# Altium PCB waffling80-NMB.PcbDoc (part 2 of 3) (continued)
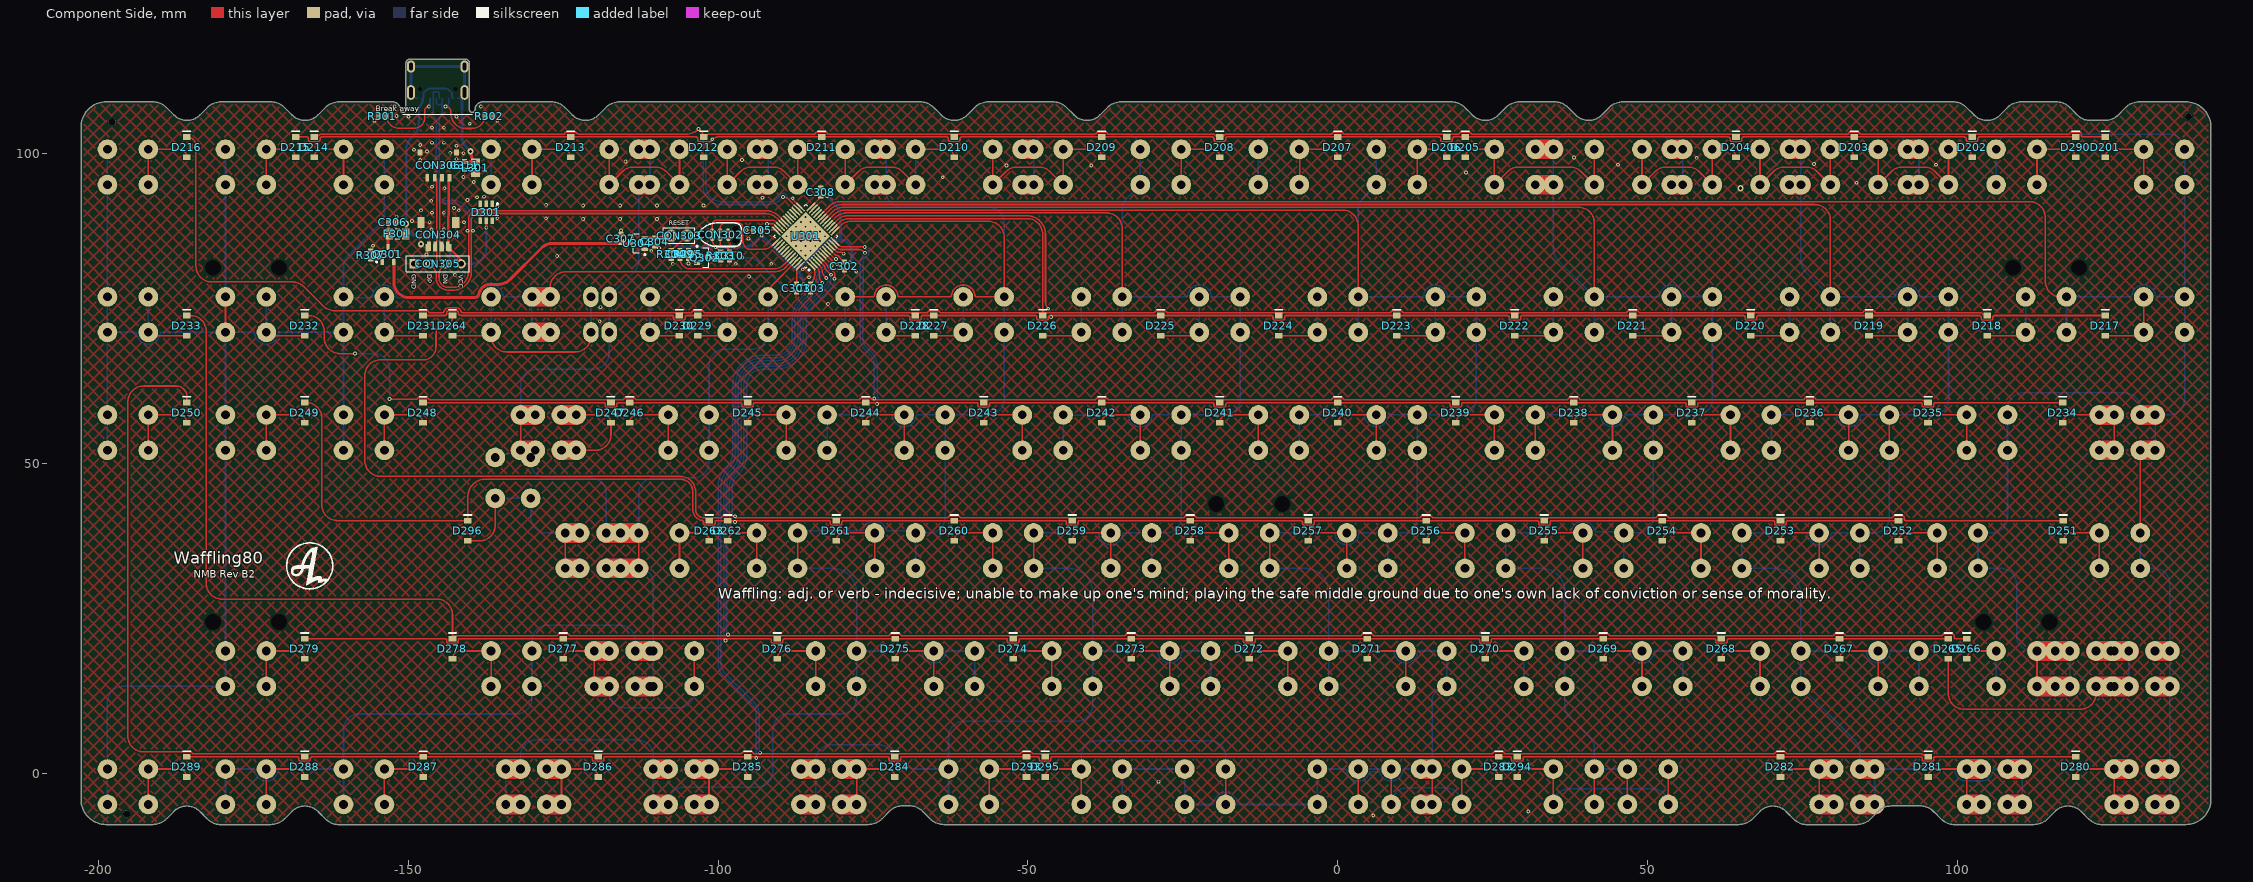
[diagram p0: Component Side view]
## Nets (pads, with @x,y where several pads share a name; then routed paths per layer and width w, separated by ;. In a path a pad name is that pad's centre, name@x,y a point inside that pad or via, vN(x,y) a via of type N, cw(c..) or ccw(c..) an arc to the next point about the centre after c; other vN are vias at no path point) (continued)
NetD214_1: D214.1 S214.1 | length 11.2
  Component Side w0.254: D214.1@-165.188,99.377 cw(c-163.913,99.377) -163.913,100.652 S214.1@-160.463,100.652 S214.1@-160.463,94.932
NetD215_1: D215.1 S215.1 | length 11.2
  Component Side w0.254: S215.1@-172.912,94.932 S215.1@-172.912,100.652 -169.463,100.652 cw(c-169.463,99.377) D215.1@-168.188,99.377
NetD216_1: D216.1 S216.1 | length 12.7
  Component Side w0.254: S216.1@-191.962,94.932 S216.1@-191.962,100.652 -187.012,100.652 cw(c-187.012,99.377) D216.1@-185.737,99.377
NetD217_1: D217.1 S217.1 | length 12.7
  Component Side w0.254: D217.1@123.825,70.565 129.494,70.565 ccw(c129.494,71.12) S217.1@130.049,71.12 S217.1@130.049,76.84 cw(c129.774,76.84) S217.1@129.774,76.565
NetD218_1: D218.1 S218.1 | length 13.9
  Component Side w0.254: D218.1@104.775,70.565 110.444,70.565 ccw(c110.444,71.12) S218.1@110.999,71.12 ; S218.1@110.724,76.565 ccw(c110.724,76.84) S218.1@110.999,76.84 cw(c110.999,76.46) 111.379,76.46 111.379,76.454 ccw(c111.379,76.074) S218.1@110.999,76.074
  Bottom Layer w0.254: S218.1@110.999,71.12 S218.1@110.999,76.84
NetD219_1: D219.1 S219.1 | length 12.7
  Component Side w0.254: D219.1@85.725,70.565 91.394,70.565 ccw(c91.394,71.12) S219.1@91.949,71.12 ; S219.1@91.674,76.565 ccw(c91.674,76.84) S219.1@91.949,76.84
  Bottom Layer w0.254: S219.1@91.949,71.12 S219.1@91.949,76.84
NetD220_1: D220.1 S220.1 | length 12.7
  Component Side w0.254: D220.1@66.675,70.565 72.344,70.565 ccw(c72.344,71.12) S220.1@72.899,71.12 ; S220.1@72.624,76.565 ccw(c72.624,76.84) S220.1@72.899,76.84
  Bottom Layer w0.254: S220.1@72.899,71.12 S220.1@72.899,76.84
NetD221_1: D221.1 S221.1 | length 12.7
  Component Side w0.254: D221.1@47.625,70.565 53.294,70.565 ccw(c53.294,71.12) S221.1@53.849,71.12 ; S221.1@53.574,76.565 ccw(c53.574,76.84) S221.1@53.849,76.84
  Bottom Layer w0.254: S221.1@53.849,71.12 S221.1@53.849,76.84
NetD222_1: D222.1 S222.1 | length 12.7
  Component Side w0.254: D222.1@28.575,70.565 34.244,70.565 ccw(c34.244,71.12) S222.1@34.799,71.12 ; S222.1@34.524,76.565 ccw(c34.524,76.84) S222.1@34.799,76.84
  Bottom Layer w0.254: S222.1@34.799,71.12 S222.1@34.799,76.84
NetD223_1: D223.1 S223.1 | length 12.7
  Component Side w0.254: D223.1@9.525,70.565 15.194,70.565 ccw(c15.194,71.12) S223.1@15.749,71.12 ; S223.1@15.474,76.565 ccw(c15.474,76.84) S223.1@15.749,76.84
  Bottom Layer w0.254: S223.1@15.749,71.12 S223.1@15.749,76.84
NetD224_1: D224.1 S224.1 | length 12.7
  Component Side w0.254: D224.1@-9.525,70.565 -3.856,70.565 ccw(c-3.856,71.12) S224.1@-3.301,71.12 ; S224.1@-3.576,76.565 ccw(c-3.576,76.84) S224.1@-3.301,76.84
  Bottom Layer w0.254: S224.1@-3.301,71.12 S224.1@-3.301,76.84
NetD225_1: D225.1 S225.1 | length 12.7
  Component Side w0.254: D225.1@-28.575,70.565 -22.906,70.565 ccw(c-22.906,71.12) S225.1@-22.351,71.12 ; S225.1@-22.626,76.565 ccw(c-22.626,76.84) S225.1@-22.351,76.84
  Bottom Layer w0.254: S225.1@-22.351,71.12 S225.1@-22.351,76.84
NetD226_1: D226.1 S226.1 | length 12.5
  Component Side w0.254: D226.1@-47.625,70.565 -42.74,70.565 ccw(c-42.74,72.46) S226.1@-41.401,71.12 ; S226.1@-41.676,76.565 ccw(c-41.676,76.84) S226.1@-41.401,76.84
  Bottom Layer w0.254: S226.1@-41.401,71.12 S226.1@-41.401,76.84
NetD227_1: D227.1 S227.1 | length 11
  Component Side w0.254: D227.1@-65.175,70.565 -61.79,70.565 ccw(c-61.79,72.46) S227.1@-60.451,71.12 ; S227.1@-60.726,76.565 ccw(c-60.726,76.84) S227.1@-60.451,76.84
  Bottom Layer w0.254: S227.1@-60.451,71.12 S227.1@-60.451,76.84
NetD228_1: D228.1 S228.1 | length 11
  Component Side w0.254: S228.1@-72.9,71.12 ccw(c-71.561,72.46) -71.561,70.565 D228.1@-68.175,70.565 ; S228.1@-72.9,76.84 ccw(c-72.625,76.84) S228.1@-72.625,76.565
  Bottom Layer w0.254: S228.1@-72.9,71.12 S228.1@-72.9,76.84
NetD229_1: D229.1 S229.1 | length 11.2
  Component Side w0.254: D229.1@-103.275,70.565 -99.106,70.565 ccw(c-99.106,71.12) S229.1@-98.551,71.12 ; S229.1@-98.826,76.565 ccw(c-98.826,76.84) S229.1@-98.551,76.84
  Bottom Layer w0.254: S229.1@-98.551,71.12 S229.1@-98.551,76.84
NetD230_1: D230.1 S230.1 | length 11.2
  Component Side w0.254: S230.1@-111,71.12 ccw(c-110.445,71.12) -110.445,70.565 D230.1@-106.275,70.565 ; S230.1@-111,76.84 ccw(c-110.725,76.84) S230.1@-110.725,76.565
  Bottom Layer w0.254: S230.1@-111,71.12 S230.1@-111,76.84
NetD231_1: D231.1 S231.1 | length 12.7
  Component Side w0.254: S231.1@-153.862,71.12 ccw(c-153.307,71.12) -153.307,70.565 D231.1@-147.637,70.565 ; S231.1@-153.862,76.84 ccw(c-153.587,76.84) S231.1@-153.587,76.565
  Bottom Layer w0.254: S231.1@-153.862,71.12 S231.1@-153.862,76.84
NetD232_1: D232.1 S232.1 | length 12.7
  Component Side w0.254: S232.1@-172.912,71.12 ccw(c-172.357,71.12) -172.357,70.565 D232.1@-166.687,70.565 ; S232.1@-172.912,76.84 ccw(c-172.637,76.84) S232.1@-172.637,76.565
  Bottom Layer w0.254: S232.1@-172.912,71.12 S232.1@-172.912,76.84
NetD233_1: D233.1 S233.1 | length 12.7
  Component Side w0.254: S233.1@-191.962,71.12 ccw(c-191.407,71.12) -191.407,70.565 D233.1@-185.737,70.565 ; S233.1@-191.962,76.84 ccw(c-191.687,76.84) S233.1@-191.687,76.565
  Bottom Layer w0.254: S233.1@-191.962,71.12 S233.1@-191.962,76.84
NetD234_1: D234.1 S234.1 S234_1.1 | length 24.1
  Component Side w0.254: D234.1@117,56.515 cw(c118.275,56.515) 118.275,57.79 S234_1.1@122.906,57.79 S234.1@125.287,57.79 S234.1@125.287,52.07
  Component Side w3.18: S234_1.1@122.906,52.07 S234.1@125.287,52.07 ; S234_1.1@122.906,57.79 S234.1@125.287,57.79
  Bottom Layer w3.18: S234_1.1@122.988,52.07 S234.1@125.267,52.07 ; S234_1.1@123.008,57.79 S234.1@125.287,57.79
NetD235_1: D235.1 S235.1 | length 12.7
  Component Side w0.254: D235.1@95.25,56.515 cw(c96.525,56.515) 96.525,57.79 S235.1@101.474,57.79 S235.1@101.474,52.07
NetD236_1: D236.1 S236.1 | length 12.7
  Component Side w0.254: D236.1@76.2,56.515 cw(c77.475,56.515) 77.475,57.79 S236.1@82.424,57.79 S236.1@82.424,52.07
NetD237_1: D237.1 S237.1 | length 12.7
  Component Side w0.254: D237.1@57.15,56.515 cw(c58.425,56.515) 58.425,57.79 S237.1@63.374,57.79 S237.1@63.374,52.07
NetD238_1: D238.1 S238.1 | length 12.7
  Component Side w0.254: D238.1@38.1,56.515 cw(c39.375,56.515) 39.375,57.79 S238.1@44.324,57.79 S238.1@44.324,52.07
NetD239_1: D239.1 S239.1 | length 12.7
  Component Side w0.254: D239.1@19.05,56.515 cw(c20.325,56.515) 20.325,57.79 S239.1@25.274,57.79 S239.1@25.274,52.07
NetD240_1: D240.1 S240.1 | length 12.7
  Component Side w0.254: D240.1@0,56.515 cw(c1.275,56.515) 1.275,57.79 S240.1@6.224,57.79 S240.1@6.224,52.07
NetD241_1: D241.1 S241.1 | length 12.7
  Component Side w0.254: D241.1@-19.05,56.515 cw(c-17.775,56.515) -17.775,57.79 S241.1@-12.826,57.79 S241.1@-12.826,52.07
NetD242_1: D242.1 S242.1 | length 12.7
  Component Side w0.254: D242.1@-38.1,56.515 cw(c-36.825,56.515) -36.825,57.79 S242.1@-31.876,57.79 S242.1@-31.876,52.07
NetD243_1: D243.1 S243.1 | length 12.7
  Component Side w0.254: D243.1@-57.15,56.515 cw(c-55.875,56.515) -55.875,57.79 S243.1@-50.926,57.79 S243.1@-50.926,52.07
NetD244_1: D244.1 S244.1 | length 12.7
  Component Side w0.254: D244.1@-76.2,56.515 cw(c-74.925,56.515) -74.925,57.79 S244.1@-69.976,57.79 S244.1@-69.976,52.07
NetD245_1: D245.1 S245.1 | length 12.7
  Component Side w0.254: D245.1@-95.25,56.515 cw(c-93.975,56.515) -93.975,57.79 S245.1@-89.026,57.79 S245.1@-89.026,52.07
NetD246_1: D246.1 S246.1 | length 12.7
  Component Side w0.254: D246.1@-114.3,56.515 cw(c-113.025,56.515) -113.025,57.79 S246.1@-108.076,57.79 S246.1@-108.076,52.07
NetD247_1: D247.1 S247.1 S247_1.1 | length 29.4
  Component Side w0.254: S247.1@-125.288,52.07 -119.84,52.07 ccw(c-119.84,54.61) -117.3,54.61 D247.1@-117.3,56.515 ccw(c-118.575,56.515) -118.575,57.79 S247.1@-125.288,57.79
  Component Side w3.18: S247.1@-125.288,52.07 S247_1.1@-122.906,52.069 ; S247.1@-125.288,57.79 S247_1.1@-122.906,57.79
  Bottom Layer w3.18: S247.1@-125.246,52.07 S247_1.1@-122.968,52.07 ; S247.1@-125.226,57.79 S247_1.1@-122.947,57.79
NetD248_1: D248.1 S248.1 | length 12.7
  Component Side w0.254: S248.1@-153.862,52.07 S248.1@-153.862,57.79 -148.912,57.79 cw(c-148.912,56.515) D248.1@-147.637,56.515
NetD249_1: D249.1 S249.1 | length 12.7
  Component Side w0.254: S249.1@-172.912,52.07 S249.1@-172.912,57.79 -167.962,57.79 cw(c-167.962,56.515) D249.1@-166.687,56.515
NetD250_1: D250.1 S250.1 | length 12.7
  Component Side w0.254: S250.1@-191.962,52.07 S250.1@-191.962,57.79 -187.012,57.79 cw(c-187.012,56.515) D250.1@-185.737,56.515
NetD251_1: D251.1 S251.1 | length 12.3
  Component Side w0.254: D251.1@117.1,37.465 cw(c118.375,37.465) 118.375,38.74 S251.1@122.906,38.74 S251.1@122.906,33.02
NetD252_1: D252.1 S252.1 | length 12.7
  Component Side w0.254: D252.1@90.487,37.465 cw(c91.762,37.465) 91.762,38.74 S252.1@96.712,38.74 S252.1@96.712,33.02
NetD253_1: D253.1 S253.1 | length 12.7
  Component Side w0.254: D253.1@71.437,37.465 cw(c72.712,37.465) 72.712,38.74 S253.1@77.662,38.74 S253.1@77.662,33.02
NetD254_1: D254.1 S254.1 | length 12.7
  Component Side w0.254: D254.1@52.387,37.465 cw(c53.662,37.465) 53.662,38.74 S254.1@58.612,38.74 S254.1@58.612,33.02
NetD255_1: D255.1 S255.1 | length 12.7
  Component Side w0.254: D255.1@33.337,37.465 cw(c34.612,37.465) 34.612,38.74 S255.1@39.562,38.74 S255.1@39.562,33.02
NetD256_1: D256.1 S256.1 | length 12.7
  Component Side w0.254: D256.1@14.287,37.465 cw(c15.562,37.465) 15.562,38.74 S256.1@20.512,38.74 S256.1@20.512,33.02
NetD257_1: D257.1 S257.1 | length 12.7
  Component Side w0.254: D257.1@-4.763,37.465 cw(c-3.488,37.465) -3.488,38.74 S257.1@1.462,38.74 S257.1@1.462,33.02
NetD258_1: D258.1 S258.1 | length 12.7
  Component Side w0.254: D258.1@-23.813,37.465 cw(c-22.538,37.465) -22.538,38.74 S258.1@-17.588,38.74 S258.1@-17.588,33.02
NetD259_1: D259.1 S259.1 | length 12.7
  Component Side w0.254: D259.1@-42.863,37.465 cw(c-41.588,37.465) -41.588,38.74 S259.1@-36.638,38.74 S259.1@-36.638,33.02
NetD260_1: D260.1 S260.1 | length 12.7
  Component Side w0.254: D260.1@-61.913,37.465 cw(c-60.638,37.465) -60.638,38.74 S260.1@-55.688,38.74 S260.1@-55.688,33.02
NetD261_1: D261.1 S261.1 | length 12.7
  Component Side w0.254: D261.1@-80.963,37.465 cw(c-79.688,37.465) -79.688,38.74 S261.1@-74.738,38.74 S261.1@-74.738,33.02
NetD262_1: D262.1 S262.1 | length 11.1
  Component Side w0.254: D262.1@-98.43,37.465 cw(c-97.155,37.465) -97.155,38.74 S262.1@-93.788,38.74 S262.1@-93.788,33.02
NetD263_1: D263.1 S263.1 | length 11.3
  Component Side w0.254: S263.1@-106.238,33.02 S263.1@-106.238,38.74 -102.705,38.74 cw(c-102.705,37.465) D263.1@-101.43,37.465
NetD264_1: D264.1 S264.1 S264_1.1 | length 38.7
  Component Side w0.254: D264.1@-142.875,70.565 -137.206,70.565 ccw(c-137.206,71.12) S264_1.1@-136.651,71.12 -136.651,70.485 ccw(c-134.111,70.485) -134.111,67.945 -123.065,67.945 ccw(c-123.065,70.485) -120.525,70.485 S264.1@-120.525,71.12 ; S264_1.1@-136.926,76.565 ccw(c-136.926,76.84) S264_1.1@-136.651,76.84
  Bottom Layer w0.254: S264_1.1@-136.651,71.12 S264_1.1@-136.651,76.84 ; S264.1@-120.525,71.12 S264.1@-120.525,76.84
NetD265_1: D265.1 S265.1 S265_1.1 S265_2.1 S265_3.1 | length 58.5
  Component Side w0.254: D265.1@98.515,18.415 98.515,12.827 ccw(c101.055,12.827) 101.055,10.287 119.825,10.287 ccw(c119.825,12.827) 122.364,12.827 S265_2.1@122.364,13.97 ; S265_3.1@124.743,19.406 S265.1@124.743,19.69
  Component Side w3.18: S265_2.1@122.364,13.97 S265.1@124.743,13.97 S265_3.1@125.287,13.97 S265_1.1@127.668,13.97 ; S265_2.1@122.364,19.69 S265.1@124.743,19.69 S265_3.1@125.287,19.69 S265_1.1@127.668,19.69
  Bottom Layer w0.254: S265_1.1@127.668,13.97 S265_1.1@127.668,19.69
  Bottom Layer w3.18: S265_2.1@122.364,13.97 S265_3.1@124.203,13.97 ; S265_2.1@122.364,19.69 S265_3.1@124.203,19.69 ; S265.1@124.743,19.69 S265_1.1@127.668,19.69 ; S265_3.1@125.83,13.97 S265_1.1@127.668,13.97
NetD266_1: D266.1 S266.1 | length 11.6
  Component Side w0.254: D266.1@101.515,18.415 cw(c102.79,18.415) 102.79,19.69 S266.1@106.239,19.69 cw(c105.964,19.69) S266.1@105.964,19.415
  Bottom Layer w0.254: S266.1@106.239,13.97 S266.1@106.239,19.69
NetD267_1: D267.1 S267.1 | length 12.7
  Component Side w0.254: D267.1@80.962,18.415 cw(c82.238,18.415) 82.238,19.69 S267.1@87.187,19.69 S267.1@87.187,13.97
NetD268_1: D268.1 S268.1 | length 12.7
  Component Side w0.254: D268.1@61.912,18.415 cw(c63.188,18.415) 63.188,19.69 S268.1@68.137,19.69 S268.1@68.137,13.97
NetD269_1: D269.1 S269.1 | length 12.7
  Component Side w0.254: D269.1@42.862,18.415 cw(c44.138,18.415) 44.138,19.69 S269.1@49.087,19.69 S269.1@49.087,13.97
NetD270_1: D270.1 S270.1 | length 13.4
  Component Side w0.254: D270.1@23.812,18.415 cw(c25.088,18.415) 25.088,19.69 S270.1@30.037,19.69 cw(c29.373,20.354) S270.1@29.373,19.415
  Bottom Layer w0.254: S270.1@30.037,13.97 S270.1@30.037,19.69
NetD271_1: D271.1 S271.1 | length 12.7
  Component Side w0.254: D271.1@4.763,18.415 cw(c6.038,18.415) 6.038,19.69 S271.1@10.987,19.69 S271.1@10.987,13.97
NetD272_1: D272.1 S272.1 | length 12.7
  Component Side w0.254: D272.1@-14.287,18.415 cw(c-13.012,18.415) -13.012,19.69 S272.1@-8.063,19.69 S272.1@-8.063,13.97
NetD273_1: D273.1 S273.1 | length 12.7
  Component Side w0.254: D273.1@-33.337,18.415 cw(c-32.062,18.415) -32.062,19.69 S273.1@-27.113,19.69 S273.1@-27.113,13.97
NetD274_1: D274.1 S274.1 | length 12.7
  Component Side w0.254: D274.1@-52.387,18.415 cw(c-51.112,18.415) -51.112,19.69 S274.1@-46.163,19.69 S274.1@-46.163,13.97
NetD275_1: D275.1 S275.1 | length 12.7
  Component Side w0.254: D275.1@-71.438,18.415 cw(c-70.162,18.415) -70.162,19.69 S275.1@-65.213,19.69 S275.1@-65.213,13.97
NetD276_1: D276.1 S276.1 | length 12.7
  Component Side w0.254: D276.1@-90.488,18.415 cw(c-89.213,18.415) -89.213,19.69 S276.1@-84.263,19.69 S276.1@-84.263,13.97
NetD277_1: D277.1 S277.1 S277_1.1 S277_2.1 | length 46.8
  Component Side w0.254: D277.1@-124.968,18.415 cw(c-123.693,18.415) -123.693,19.69 S277.1@-119.982,19.69 S277.1@-119.982,13.97 ; S277_1.1@-103.857,13.97 S277_1.1@-103.857,19.69 S277_1.1@-103.857,20.51
  Component Side w3.18: S277.1@-119.982,13.97 S277_2.1@-117.601,13.97 ; S277.1@-119.982,19.69 S277_2.1@-117.601,19.69
  Bottom Layer w0.254: S277.1@-119.982,13.081 S277.1@-119.982,13.97 ; S277_2.1@-117.601,13.97 -117.601,13.081 ccw(c-115.061,13.081) -115.061,10.541 -106.397,10.541 ccw(c-106.397,13.081) -103.857,13.081 S277_1.1@-103.857,13.97
  Bottom Layer w3.18: S277.1@-119.982,19.69 S277_2.1@-117.601,19.69 ; S277.1@-119.941,13.97 S277_2.1@-117.601,13.97
NetD278_1: D278.1 S278.1 | length 12.7
  Component Side w0.254: D278.1@-142.875,18.415 cw(c-141.6,18.415) -141.6,19.69 S278.1@-136.651,19.69 S278.1@-136.651,13.97
NetD279_1: D279.1 S279.1 | length 12.7
  Component Side w0.254: S279.1@-172.912,13.97 S279.1@-172.912,19.69 -167.962,19.69 cw(c-167.962,18.415) D279.1@-166.687,18.415
NetD280_1: D280.1 S280.2 S280_1.1 | length 22.2
  Component Side w0.254: D280.1@119.062,-0.635 cw(c120.337,-0.635) 120.337,0.64 S280.2@125.287,0.64 S280.2@125.287,-5.08
  Component Side w3.18: S280.2@125.287,-5.08 S280_1.1@127.668,-5.08 ; S280.2@125.287,0.64 S280_1.1@127.668,0.64
  Bottom Layer w3.18: S280.2@125.287,0.64 S280_1.1@127.668,0.64 ; S280.2@125.327,-5.08 S280_1.1@127.668,-5.08
NetD281_1: D281.1 S281.2 S281_1.1 | length 21.1
  Component Side w0.254: D281.1@95.25,-0.635 cw(c96.525,-0.635) 96.525,0.64 S281.2@101.475,0.64 S281.2@101.475,-5.08
  Component Side w3.18: S281.2@101.802,-5.08 S281_1.1@103.632,-5.08 ; S281.2@101.802,0.635 S281_1.1@103.632,0.635
  Bottom Layer w3.18: S281.2@101.475,0.64 S281_1.1@103.856,0.64 ; S281.2@101.515,-5.08 S281_1.1@103.856,-5.08
NetD282_1: D282.1 S282.2 S282_1.1 | length 21.1
  Component Side w0.254: D282.1@71.437,-0.635 cw(c72.712,-0.635) 72.712,0.64 S282.2@77.662,0.64 S282.2@77.662,-5.08
  Component Side w3.18: S282.2@78.053,0.635 S282_1.1@79.883,0.635 ; S282.2@78.214,-5.08 S282_1.1@80.044,-5.08
  Bottom Layer w3.18: S282.2@77.662,0.64 S282_1.1@80.044,0.64 ; S282.2@77.703,-5.08 S282_1.1@80.044,-5.08
NetD283_1: D283.1 S283.1 S283_1.1 S283_2.1 | length 44.2
  Component Side w0.254: S283.1@3.3,-5.08 S283.1@3.3,0.64 ; S283_1.1@8.606,-5.207 S283_1.1@8.606,-5.08 8.606,0.03 ccw(c8.128,0.03) 8.128,0.508 cw(c8.26,0.508) 8.26,0.64 S283_1.1@8.606,0.64 ; S283_2.1@19.976,-5.08 S283_2.1@19.976,0.64 24.681,0.64 cw(c24.681,-0.635) D283.1@25.956,-0.635
  Bottom Layer w0.254: S283.1@3.3,0.64 S283_1.1@8.26,0.64 ; S283_1.1@8.606,-5.08 8.606,-4.953 cw(c11.146,-4.953) 11.146,-2.413 17.436,-2.413 cw(c17.436,-4.953) 19.976,-4.953 S283_2.1@19.976,-5.08
NetD284_1: D284.1 S284.1 S284_1.1 | length 22.1
  Component Side w0.254: S284.1@-77.662,-5.08 S284.1@-77.662,0.64 -72.77,0.64 cw(c-72.77,-0.635) D284.1@-71.495,-0.635
  Component Side w3.18: S284_1.1@-80.044,-5.08 S284.1@-77.662,-5.08 ; S284_1.1@-80.044,0.64 S284.1@-77.662,0.64
  Bottom Layer w3.18: S284_1.1@-80.044,0.64 S284.1@-77.662,0.64 ; S284_1.1@-80.003,-5.08 S284.1@-77.662,-5.08
NetD285_1: D285.1 S285.1 S285_1.1 | length 22.2
  Component Side w0.254: S285.1@-101.475,-5.08 S285.1@-101.475,0.64 -96.519,0.64 cw(c-96.519,-0.635) D285.1@-95.244,-0.635
  Component Side w3.18: S285_1.1@-103.856,-5.08 S285.1@-101.475,-5.08 ; S285_1.1@-103.856,0.64 S285.1@-101.475,0.64
  Bottom Layer w3.18: S285_1.1@-103.856,0.64 S285.1@-101.475,0.64 ; S285_1.1@-103.816,-5.08 S285.1@-101.475,-5.08
NetD286_1: D286.1 S286.1 S286_1.1 | length 21.8
  Component Side w0.254: S286.1@-125.287,-5.08 S286.1@-125.287,0.64 -120.649,0.64 cw(c-120.649,-0.635) D286.1@-119.374,-0.635
  Component Side w3.18: S286_1.1@-127.669,-5.08 S286.1@-125.287,-5.08 ; S286_1.1@-127.669,0.64 S286.1@-125.287,0.64
  Bottom Layer w3.18: S286_1.1@-127.669,0.64 S286.1@-125.287,0.64 ; S286_1.1@-127.628,-5.08 S286.1@-125.287,-5.08
NetD287_1: D287.1 S287.1 | length 12.7
  Component Side w0.254: S287.1@-153.862,-5.08 S287.1@-153.862,0.64 -148.843,0.64 cw(c-148.843,-0.635) D287.1@-147.568,-0.635
NetD288_1: D288.1 S288.1 | length 12.6
  Component Side w0.254: S288.1@-172.912,-5.08 S288.1@-172.912,0.64 -168.02,0.64 cw(c-168.02,-0.635) D288.1@-166.745,-0.635
NetD289_1: D289.1 S289.1 | length 12.6
  Component Side w0.254: S289.1@-191.962,-5.08 S289.1@-191.962,0.64 -187.07,0.64 cw(c-187.07,-0.635) D289.1@-185.795,-0.635
NetD290_1: D290.1 S290.1 | length 12.7
  Component Side w0.254: S290.1@112.838,94.932 S290.1@112.838,100.652 117.788,100.652 cw(c117.788,99.377) D290.1@119.063,99.377
NetD293_1: D293.1 S293.1 | length 12.4
  Component Side w0.254: S293.1@-56.232,-5.08 S293.1@-56.232,0.64 -51.515,0.64 cw(c-51.515,-0.635) D293.1@-50.24,-0.635
NetD294_1: D294.1 S294.2 S294_2.1 | length 39.5
  Component Side w0.254: D294.1@28.956,-0.635 cw(c30.231,-0.635) 30.231,0.64 S294.2@34.8,0.64 S294.2@34.8,-5.08 ; S294_2.1@53.338,-5.08 S294_2.1@53.338,0.64
  Bottom Layer w0.254: S294.2@34.8,-5.08 cw(c37.34,-5.08) 37.34,-2.54 50.798,-2.54 cw(c50.798,-5.08) S294_2.1@53.338,-5.08
NetD295_1: D295.1 S295.2 S295_2.1 | length 48.5
  Component Side w0.254: D295.1@-47.24,-0.635 cw(c-45.965,-0.635) -45.965,0.64 S295.2@-41.4,0.64 S295.2@-41.4,-5.08 S295.2@-41.4,-5.207 ; S295_2.1@-18.1,-5.207 S295_2.1@-18.1,-5.08 S295_2.1@-18.1,0.64
  Bottom Layer w0.254: S295.2@-41.4,0.64 -41.4,2.667 cw(c-38.86,2.667) -38.86,5.207 -20.64,5.207 cw(c-20.64,2.667) -18.1,2.667 S295_2.1@-18.1,0.64
NetD296_1: D296.1 S296.1 S296_1.1 S296_2.1 | length 41.3
  Component Side w0.254: D296.1@-140.417,37.465 -138.512,37.465 ccw(c-138.512,40.005) -135.972,40.005 S296_1.1@-135.972,44.33 ; S296.1@-124.937,38.465 ccw(c-124.937,38.74) S296.1@-124.662,38.74 S296.1@-124.662,33.02
  Component Side w3.18: S296.1@-124.662,33.02 S296_2.1@-122.363,33.02 ; S296.1@-124.662,38.74 S296_2.1@-122.363,38.74
  Bottom Layer w0.254: S296_1.1@-135.972,44.33 S296_1.1@-130.252,44.33 -130.252,41.28 ccw(c-127.712,41.28) -127.712,38.74 S296.1@-124.662,38.74
  Bottom Layer w3.18: S296.1@-124.662,33.02 S296_2.1@-122.383,33.02 ; S296.1@-124.641,38.74 S296_2.1@-122.363,38.74
NetQ301_1: Q301.1 R307.1 | length 2.1
  Component Side w0.254: R307.1@-156.083,82.916 -154.662,82.916 cw(c-154.662,82.493) Q301.1@-154.239,82.493
NRST: C310.1 CON302.3 Q302.3 R303.2 U301.7 | length 31.6
  Component Side w0.254: Q302.3@-100.999,83.185 -100.626,83.037 -99.866,83.037 R303.2@-99.568,82.789 -99.27,83.062 -98.469,83.816 C310.1@-98.171,84.089 ; CON302.3@-99.695,86.233 -99.695,85.466 ccw(c-99.045,85.466) -99.045,84.816 -98.898,84.816 cw(c-98.898,84.089) C310.1@-98.171,84.089 ; v1(-96.139,83.185) ccw(c-97.043,83.185) -97.043,84.089 C310.1@-98.171,84.089 ; U301.7@-82.714,83.8 -81.092,82.178 -80.864,82.178 v1(-80.798,82.112)
  Bottom Layer w0.254: v1(-96.139,83.185) -95.286,83.185 cw(c-95.286,80.645) -93.49,82.441 -89.568,78.519 ccw(c-87.772,80.315) -87.772,77.775 -86.922,77.775 ccw(c-86.922,79.764) -85.726,78.174 -84.802,79.098 ccw(c-84.982,79.277) -84.728,79.277 -84.728,79.297 cw(c-82.422,79.297) -84.097,80.882 -83.826,81.155 cw(c-83.182,80.515) -83.782,81.196 cw(c-81.498,78.613) -82.311,81.964 ccw(c-82.561,82.011) -82.309,81.975 cw(c-81.688,81.888) -82.069,82.386 cw(c-81.688,81.888) -81.968,82.449 cw(c-81.688,81.888) -81.889,82.482 cw(c-81.688,81.888) -81.494,82.484 cw(c-81.688,81.888) -81.256,82.342 cw(c-81.688,81.888) -81.161,82.227 ccw(c-80.948,82.366) -80.949,82.112 v1(-80.798,82.112)
PA0: D250.2 D281.2 D284.2 D286.2 D288.2 D294.2 D295.2 U301.10 | length 457.2
  Component Side w0.254: D250.2@-185.737,59.785 -185.737,60.735 ccw(c-187.453,60.735) -187.453,62.45 -192.723,62.45 ccw(c-192.723,59.91) -195.263,59.91 -195.263,5.957 ccw(c-192.723,5.957) -192.723,3.417 -185.185,3.417 cw(c-185.185,3.09) -184.89,3.232 ccw(c-184.662,3.343) -184.663,3.089 -148.7,3.089 ccw(c-148.701,3.343) -148.473,3.232 cw(c-148.178,3.09) -148.178,3.417 -146.958,3.417 cw(c-146.958,3.09) -146.663,3.232 ccw(c-146.435,3.343) -146.436,3.089 -96.376,3.089 ccw(c-96.377,3.343) -96.149,3.232 cw(c-95.854,3.09) -95.854,3.417 -94.634,3.417 cw(c-94.634,3.09) -94.339,3.232 ccw(c-94.111,3.343) -94.112,3.089 -51.372,3.089 ccw(c-51.374,3.343) -51.145,3.232 cw(c-50.85,3.09) -50.85,3.417 -49.63,3.417 cw(c-49.63,3.09) -49.336,3.232 ccw(c-49.107,3.343) -49.109,3.089 24.824,3.089 ccw(c24.823,3.343) 25.052,3.232 cw(c25.346,3.09) 25.346,3.417 26.566,3.417 cw(c26.566,3.09) 26.861,3.232 ccw(c27.089,3.343) 27.088,3.089 70.305,3.089 ccw(c70.304,3.343) 70.532,3.232 cw(c70.827,3.09) 70.827,3.417 72.047,3.417 cw(c72.047,3.09) 72.342,3.232 ccw(c72.57,3.343) 72.569,3.089 94.059,3.089 cw(c94.059,2.381) 94.522,2.917 ccw(c94.687,3.11) 94.656,2.858 ccw(c94.687,3.11) 94.686,2.856 94.767,2.856 94.927,2.783 D281.2@95.25,2.635 ; U301.10@-81.653,84.861 -80.99,84.198 ccw(c-80.582,84.606) -80.582,84.028 -80.259,84.028 cw(c-80.259,83.317) v1(-79.756,83.82)
  Bottom Layer w0.254: -94.548,11.751 -96.956,14.159 -98.65,15.853 -98.947,16.15 cw(c-97.473,17.626) -99.559,17.626 -99.559,46.112 cw(c-95.203,46.112) -98.279,49.196 -98.087,49.389 ccw(c-100.203,51.506) -97.209,51.506 -97.209,62.627 cw(c-92.853,62.627) -96.924,64.176 cw(c-92.853,62.627) -95.348,66.198 cw(c-92.853,62.627) -93.317,66.958 cw(c-92.853,62.627) -93.31,66.959 ccw(c-93.338,67.211) -93.308,66.959 cw(c-92.936,64.062) -92.936,66.983 -90.624,66.983 ccw(c-90.624,69.977) -87.963,68.604 ccw(c-90.624,69.977) -87.63,69.977 -87.63,73.154 cw(c-83.274,73.154) -87.42,74.49 ; -94.547,11.75 -94.277,11.48 cw(c-96.393,9.362) -93.399,9.362 -93.399,3.356 ccw(c-93.345,3.356) v1@-93.345,3.302 ; -87.563,73.914 cw(c-83.274,73.154) -87.2,75.04 ; -87.336,74.728 cw(c-83.274,73.154) -87.029,75.361 cw(c-83.274,73.154) -86.351,76.238 -84.069,78.519 ccw(c-84.672,79.121) -83.82,79.121 -83.82,79.297 cw(c-82.422,79.297) -83.41,80.286 -83.182,80.515 cw(c-81.498,78.613) -81.498,81.153 -81.28,81.153 ccw(c-81.28,82.296) -80.137,82.296 -80.137,82.9 cw(c-78.836,82.9) -79.999,83.483 cw(c-78.836,82.9) v1(-79.756,83.82)
  other v1: -93.222,3.283
PA1: D232.2 D235.2 D237.2 D239.2 D241.2 D243.2 D245.2 D247.2 U301.11 | length 303.6
  Component Side w0.254: D232.2@-166.687,73.835 -166.116,73.835 cw(c-166.116,71.295) -163.576,71.295 -163.576,70.231 ccw(c-161.036,70.231) -161.036,67.691 v1(-158.623,67.691) ; v1(-153.035,60.341) -148.714,60.341 ccw(c-148.714,60.595) -148.535,60.415 -148.482,60.468 cw(c-148.247,60.24) -148.247,60.567 -147.027,60.567 cw(c-147.027,60.24) -146.844,60.511 cw(c-147.027,60.24) -146.732,60.382 ccw(c-146.504,60.493) -146.505,60.239 -115.432,60.239 ccw(c-115.433,60.493) -115.205,60.382 cw(c-114.91,60.24) -114.91,60.567 -113.69,60.567 cw(c-113.69,60.24) -113.431,60.439 cw(c-113.69,60.24) -113.395,60.382 ccw(c-113.167,60.493) -113.168,60.239 -77.332,60.239 ccw(c-77.333,60.493) -77.105,60.382 cw(c-76.81,60.24) -76.81,60.567 -75.59,60.567 cw(c-75.59,60.24) -75.295,60.382 ccw(c-75.067,60.493) -75.068,60.239 -39.232,60.239 ccw(c-39.233,60.493) -39.005,60.382 cw(c-38.71,60.24) -38.71,60.567 -37.49,60.567 cw(c-37.49,60.24) -37.195,60.382 ccw(c-36.967,60.493) -36.968,60.239 -1.132,60.239 ccw(c-1.133,60.493) -0.905,60.382 cw(c-0.61,60.24) -0.61,60.567 0.61,60.567 cw(c0.61,60.24) 0.905,60.382 ccw(c1.133,60.493) 1.132,60.239 36.968,60.239 ccw(c36.967,60.493) 37.195,60.382 cw(c37.49,60.24) 37.49,60.567 38.71,60.567 cw(c38.71,60.24) 39.005,60.382 ccw(c39.233,60.493) 39.232,60.239 55.959,60.239 cw(c55.959,59.531) 56.12,60.22 ccw(c56.177,60.468) 56.176,60.214 58.124,60.214 ccw(c58.123,60.468) 58.179,60.22 cw(c58.341,59.531) 58.341,60.239 75.068,60.239 ccw(c75.067,60.493) 75.295,60.382 cw(c75.59,60.24) 75.59,60.567 76.81,60.567 cw(c76.81,60.24) 77.069,60.439 cw(c76.81,60.24) 77.105,60.382 ccw(c77.333,60.493) 77.332,60.239 94.01,60.239 cw(c94.01,59.435) 94.417,60.129 cw(c94.059,59.518) 94.654,59.901 ccw(c94.867,60.039) 94.693,59.854 94.767,59.854 D235.2@95.25,59.785 ; U301.11@-81.3,85.214 -81.287,85.214 -80.765,84.692 ccw(c-80.258,85.2) -80.258,84.482 -77.245,84.482 cw(c-77.245,83.554) -76.588,84.21 v1(-76.316,83.939)
  Bottom Layer w0.254: v1(-158.623,67.691) -155.575,67.691 cw(c-155.575,65.151) -153.035,65.151 v1(-153.035,60.341) ; v1(-76.316,83.939) ccw(c-74.521,82.144) -77.06,82.144 -77.06,77.39 ccw(c-74.095,76.972) -77.089,76.972 -77.089,70.14 ccw(c-74.549,70.14) -76.345,68.344 -75.547,67.546 cw(c-77.343,65.75) -74.803,65.75 v1@-74.803,60.706
  other v1: -74.803,60.452